# Altium PCB can-rs232.PcbDoc
Units mil, origin at the board's own origin, x right, y up, seen from the top; angles counter-clockwise.
Board outline 1401.57 x 1050 mil, 2 copper layers (Top, Bottom), stack 62.756 mil thick; 95 components, 51 nets, 257 pads, 56 vias.
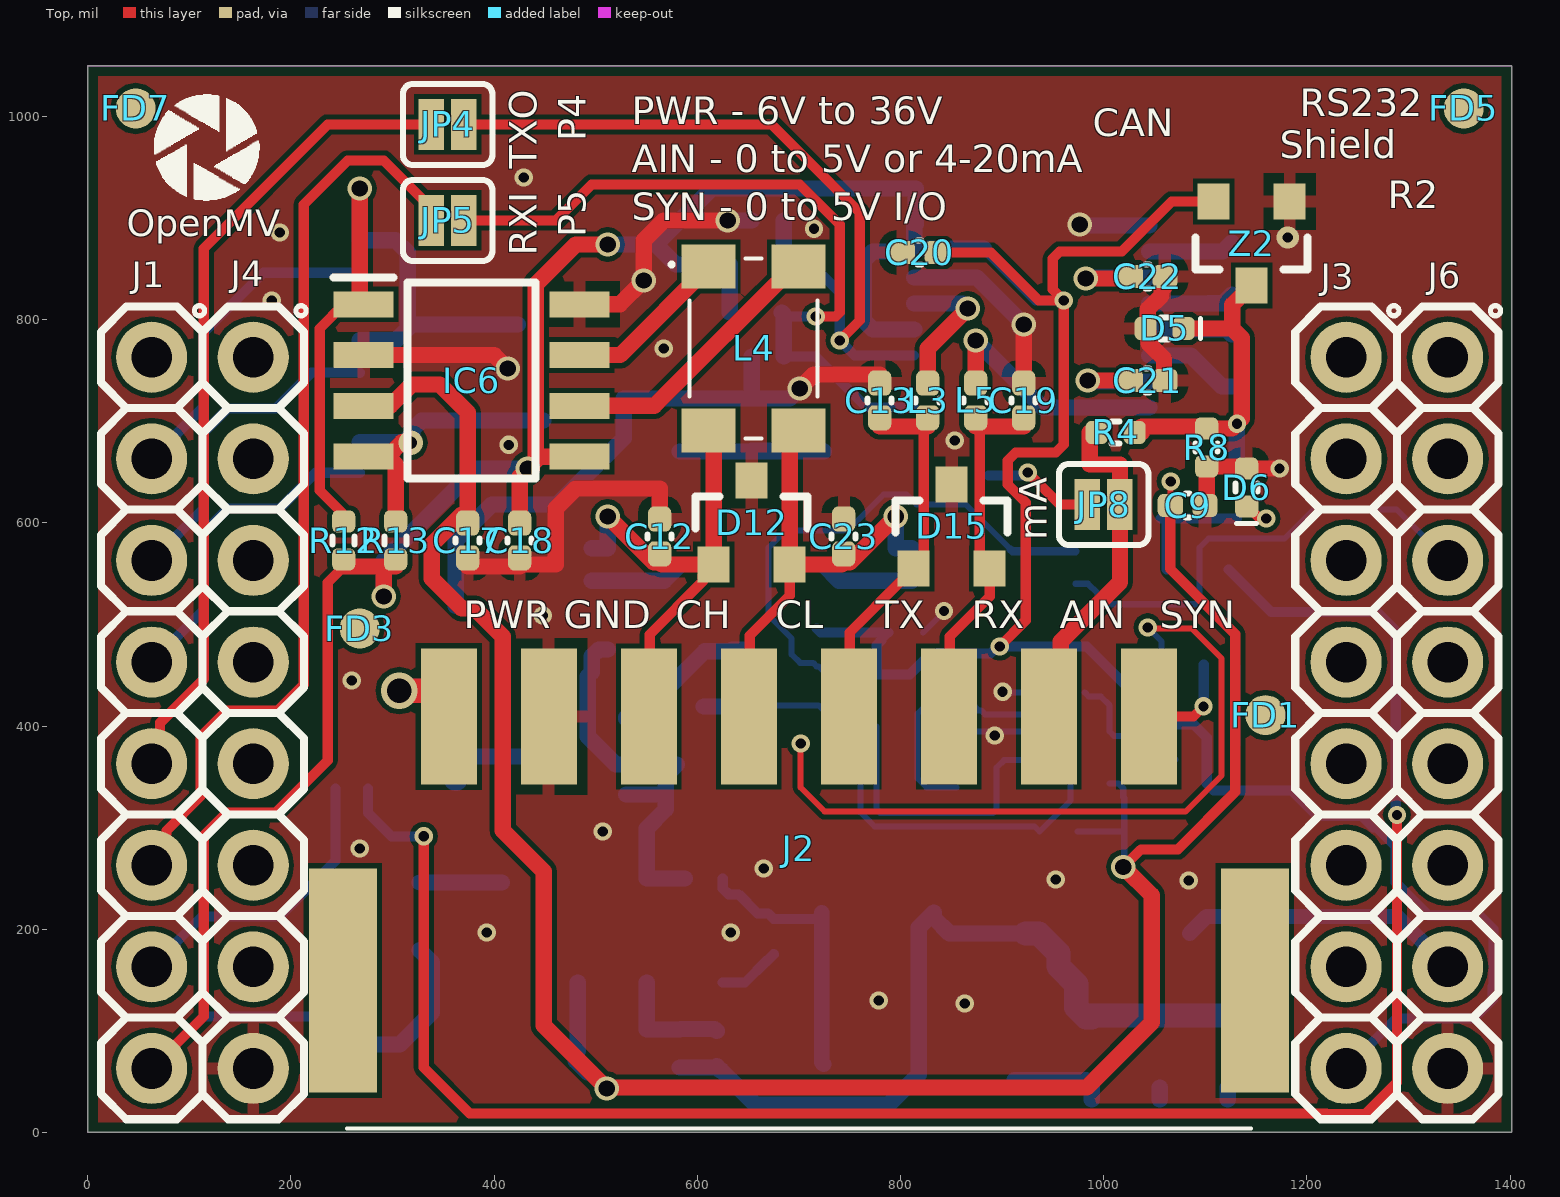
[diagram p0: Top view]
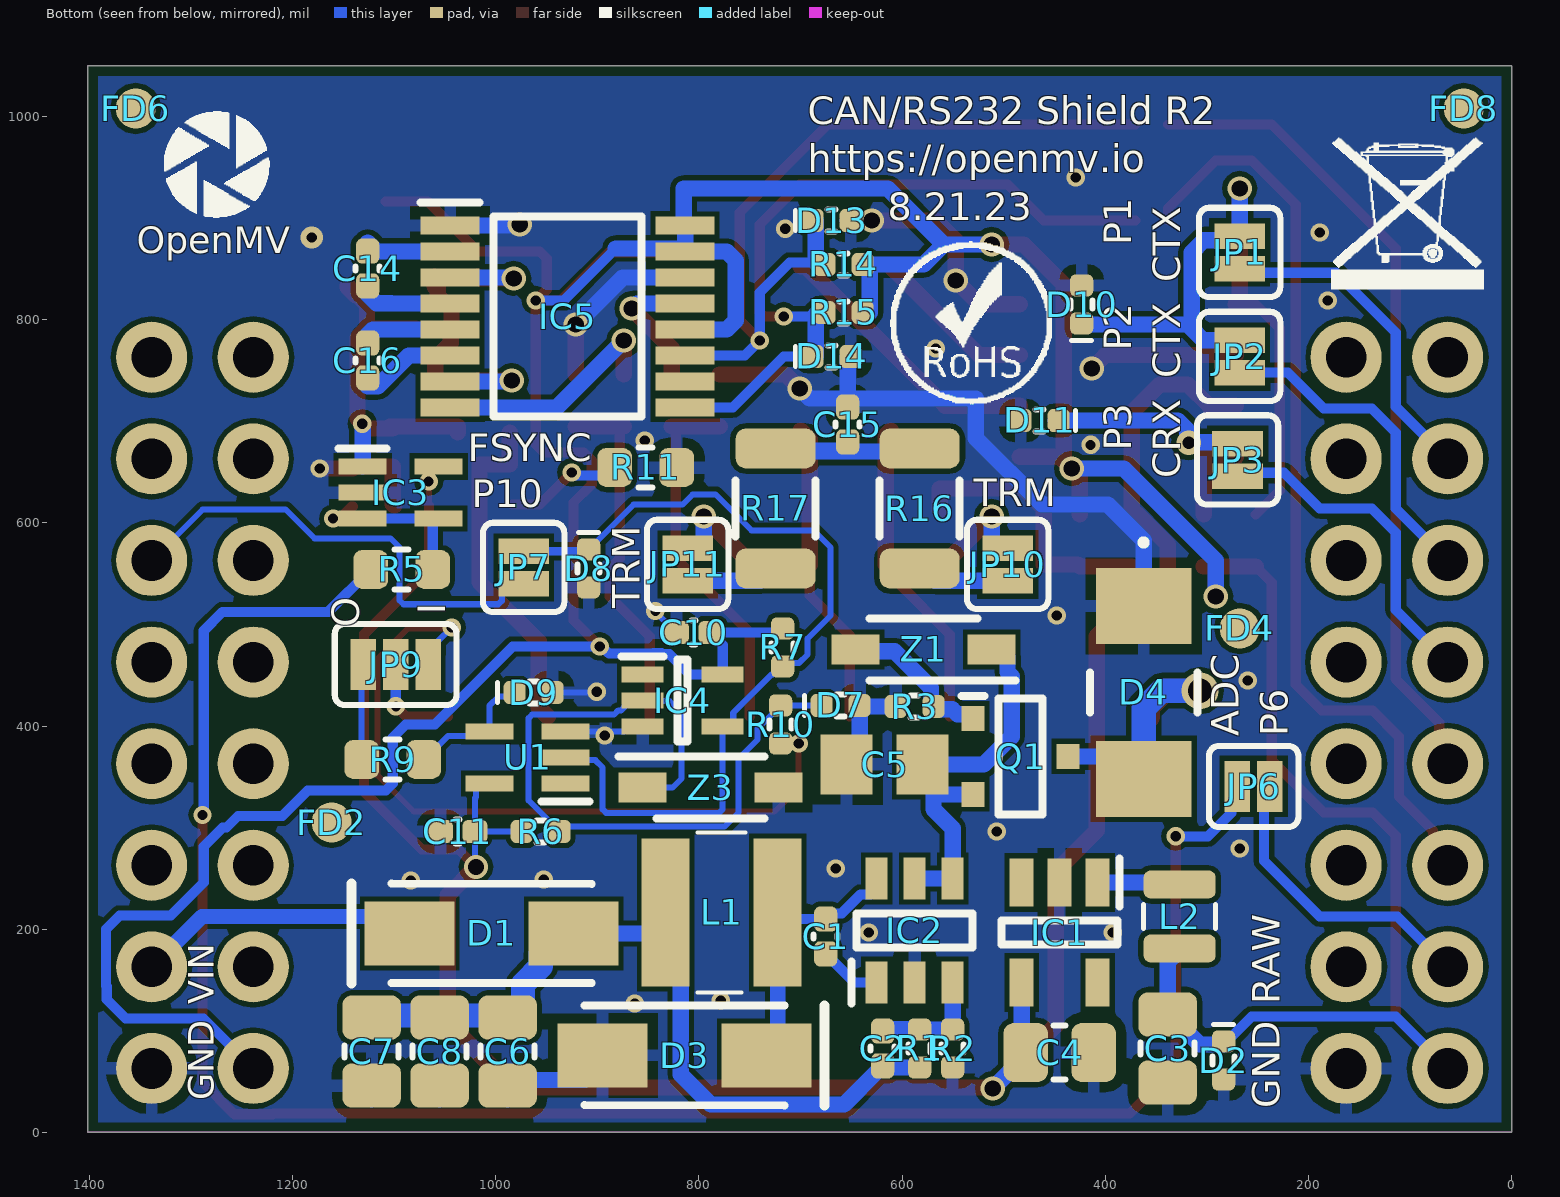
[diagram p1: Bottom view, seen from below]
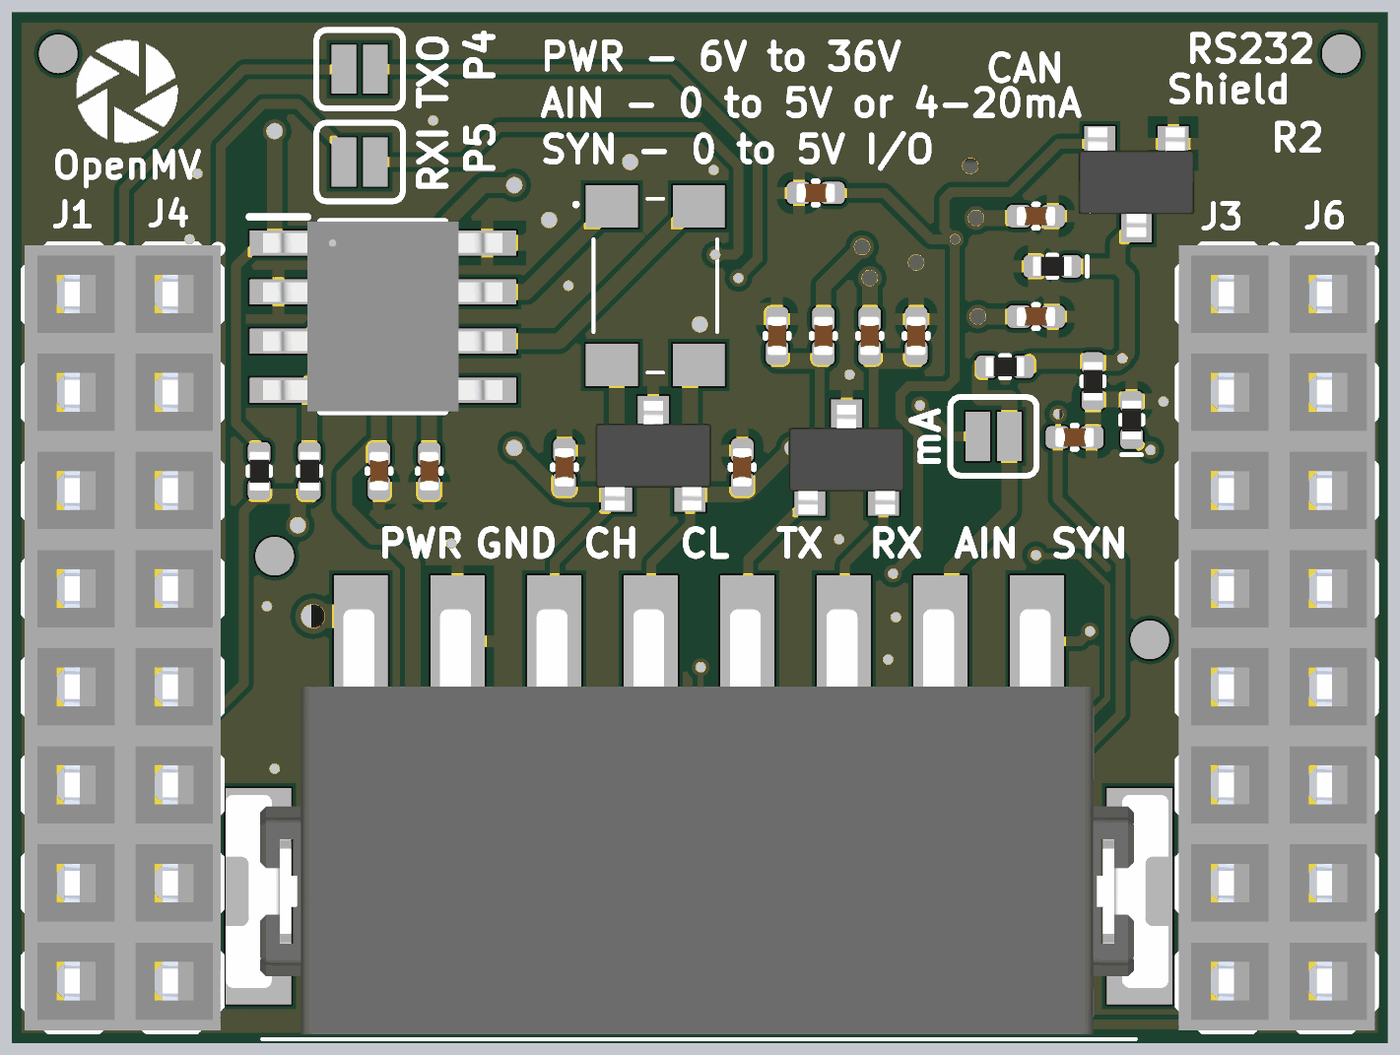
[diagram p2: 3D render of the assembled board from above, using the file's embedded part models]
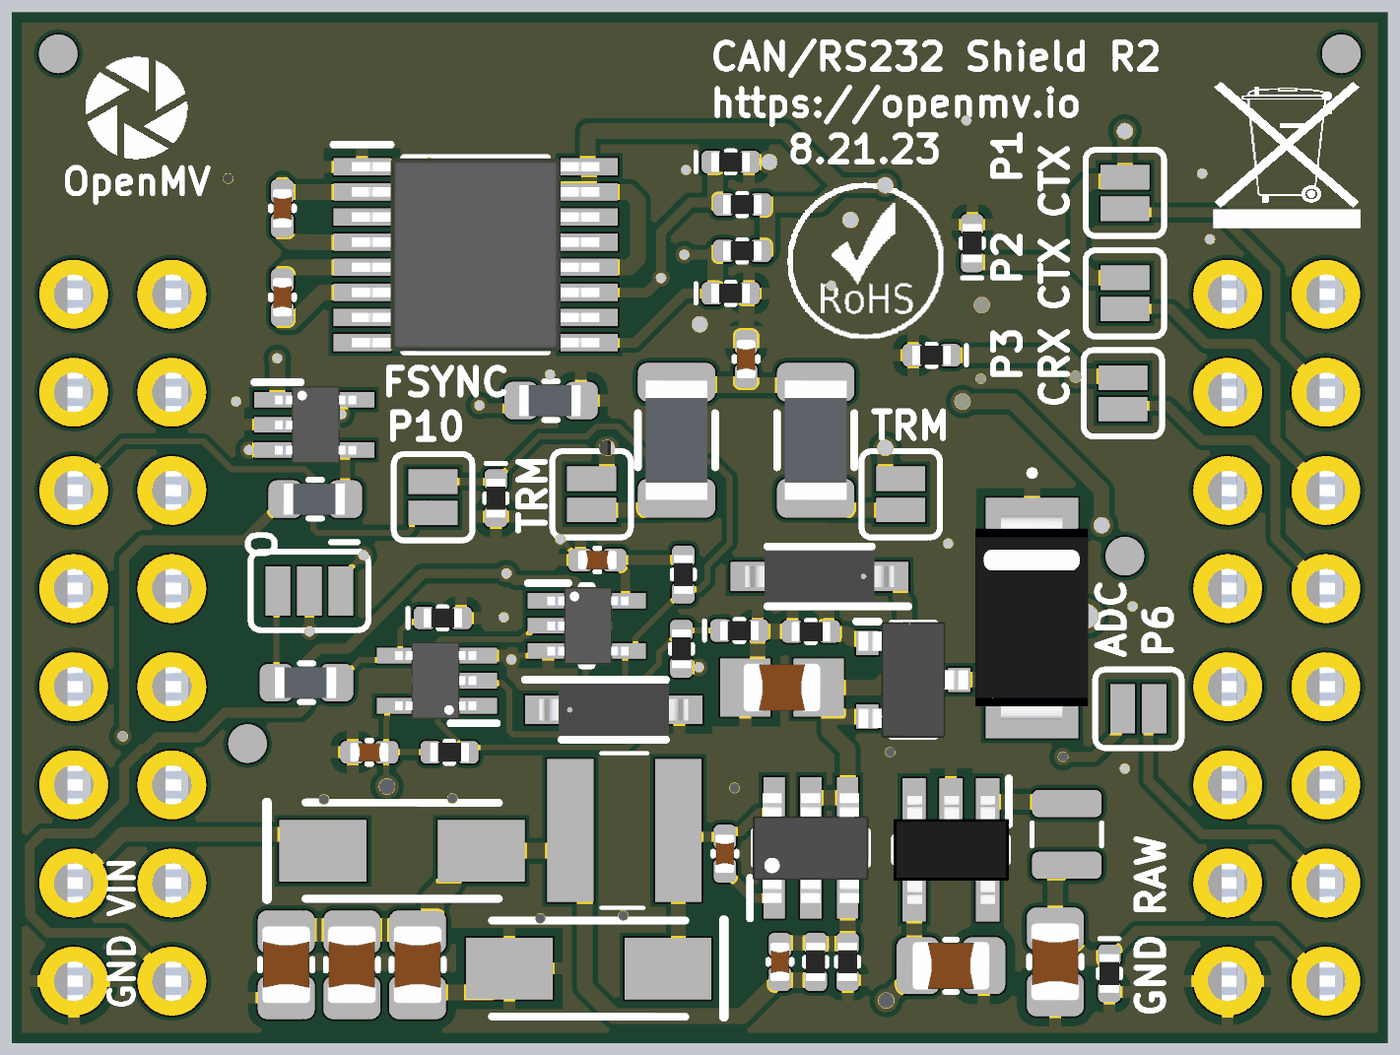
[diagram p3: 3D render of the assembled board from below, using the file's embedded part models]

## Layer stack, top to bottom
Top Solder: solder mask 0.4, Solder Resist, Dk 3.5
Top: signal copper 1.378
Dielectric 1: dielectric 60, FR-4, Dk 4.8
Bottom: signal copper 1.378
Bottom Solder: solder mask 0.4, Solder Resist, Dk 3.5

## Board outline
0,1050 0,0 1401.57,0 1401.57,1050

## Design rules (kind name [scope] priority, off if disabled: settings)
BoardOutlineClearance mdCopperDimension [All] p1: gap=10 ignorepadtopadclearanceinfootprint=FALSE except(0: Arc-SplitContinuation Track-SplitContinuation SMDPad-SplitContinuation THPad-SplitContinuation Via-SplitContinuation Fill-SplitContinuation Poly-SplitContinuation Region-SplitContinuation Text-SplitContinuation)
Clearance [All] p1: gap=5 ignorepadtopadclearanceinfootprint=FALSE
ComponentClearance ComponentClearance_1 [InComponent('J1')] p1: gap=0 collisioncheckmode=3 verticalgap=0 showdistances=FALSE
ComponentClearance ComponentClearance_4 [InComponent('J1')] p2: gap=0 collisioncheckmode=3 verticalgap=0 showdistances=FALSE
ComponentClearance ComponentClearance_3 [InComponent('J2')] p3: gap=0 collisioncheckmode=3 verticalgap=0 showdistances=FALSE
ComponentClearance ComponentClearance_2 [InComponent('J3')] p4: gap=0 collisioncheckmode=3 verticalgap=0 showdistances=FALSE
ComponentClearance [All] p5: gap=5 collisioncheckmode=3 verticalgap=10 showdistances=FALSE
HoleSize HoleSize_For_NetClass_hipwr [InNetClass('hipwr')] p1: absolutevalues=TRUE maxlimit=10 minlimit=10 maxpercent=80.000 minpercent=20.000
HoleSize HoleSize_For_NetClass_rs232 [InNetClass('rs232')] p2: absolutevalues=TRUE maxlimit=10 minlimit=10 maxpercent=80.000 minpercent=20.000
HoleSize HoleSize_For_NetClass_signal [InNetClass('signal')] p3: absolutevalues=TRUE maxlimit=10 minlimit=10 maxpercent=80.000 minpercent=20.000
HoleSize HoleSize_For_NetClass_pwr [InNetClass('pwr')] p4: absolutevalues=TRUE maxlimit=10 minlimit=10 maxpercent=80.000 minpercent=20.000
HoleSize HoleSize_For_NetClass_gnd [InNetClass('gnd')] p5: absolutevalues=TRUE maxlimit=10 minlimit=10 maxpercent=80.000 minpercent=20.000
HoleSize HoleSize_For_NetClass_can [InNetClass('can')] p6: absolutevalues=TRUE maxlimit=10 minlimit=10 maxpercent=80.000 minpercent=20.000
HoleSize [All] p7: absolutevalues=TRUE maxlimit=100000 minlimit=10 maxpercent=80.000 minpercent=20.000
HoleToHoleClearance mdDrill [All] p1: gap=10 allowstackedmicrovias=TRUE
MinimumSolderMaskSliver [All] p1 off: minsoldermaskwidth=10
PasteMaskExpansion Expansion_SMDPaste_OFF [InPadClass('SMDPaste_OFF')] p1: expansion=0
PasteMaskExpansion mlMinCreamFrame [All] p2: expansion=0
PolygonConnect PolygonConnect_For_PolygonThermal_ON_Width120000_Gap100000 [InPolygonClass('PolygonThermal_ON_Width120000_Gap100000') vs Not IsVia] p1: connectstyle=Relief reliefconductorwidth=12 reliefentries=4 polygonreliefangle="90 Angle" airgapwidth=10
PolygonConnect ThermalVias [IsVia] p2: connectstyle=Direct reliefconductorwidth=10 reliefentries=4 polygonreliefangle="90 Angle" airgapwidth=10
PolygonConnect [All] p3: connectstyle=Relief reliefconductorwidth=10 reliefentries=4 polygonreliefangle="90 Angle" airgapwidth=10
RoutingVias [All] p1: holewidth=10 width=18 viastyle="Through Hole" minholewidth=10 minwidth=18 maxholewidth=100 maxwidth=100
SolderMaskExpansion mlMinStopFrame [All] p1: expansion=2 istentingtop=FALSE
Width [All] p1: maxlimit=118.11 minlimit=5 preferedwidth=5
25 further rules are at their usual default settings.

## Classes and differential pairs
polygon class PolygonThermal_ON_Width120000_Gap100000: Polygon_1_Net_GND Polygon_2_Net_GND
polygon class Isolate_6: Polygon_1_Net_GND Polygon_2_Net_GND
pad class SMDPaste_OFF: FD1-1 FD2-1 FD3-1 FD4-1 FD5-1 FD6-1 FD7-1 FD8-1 JP1-1 JP1-2 JP2-1 JP2-2 JP3-1 JP3-2 JP4-1 JP4-2 JP5-1 JP5-2 JP6-1 JP6-2 JP7-1 JP7-2 JP8-1 JP8-2 JP9-1 JP9-2 JP9-3 JP10-1 JP10-2 JP11-1 JP11-2

## Components (designator, comment, footprint, x,y, rotation, side; value= is the part's Value field where it differs from the comment)
C1 "0.1uF" 0402-CAP 675.2,192.91 r90 bottom
C2 "100pF" 0402-CAP 619.09,82.68 r90 bottom
C3 "22uF" 0805 338.58,82.68 r90 bottom
C4 "22uF" 0805 444.88,78.74 r0 bottom
C5 "10uF" C0805 617.13,362.2 r0 bottom
C6 "22uF" 0805 988.19,79.72 r90 bottom
C7 "22uF" 0805 1122.04,79.72 r90 bottom
C8 "22uF" 0805 1055.12,79.72 r90 bottom
C9 "0.1uF" 0402-CAP 1082.68,617.13 r180 top
C10 "0.1uF" 0402-CAP 805.12,492.13 r180 bottom
C11 "0.1uF" 0402-CAP 1037.4,296.26 r180 bottom
C12 "100pF" 0402-CAP 562.99,586.61 r270 top
C13 "100pF" 0402-CAP 779.53,720.47 r270 top
C14 "0.1uF" 0402-CAP 1125.98,850.39 r270 bottom
C15 "4.7nF" 0402-CAP 653.54,696.85 r90 bottom
C16 "0.1uF" 0402-CAP 1125.98,759.84 r90 bottom
C17 "0.1uF" 0402-CAP 374.02,582.68 r270 top
C18 "0.1uF" 0402-CAP 425.2,582.68 r270 top
C19 "100pF" 0402-CAP 921.26,720.47 r90 top
C20 "0.1uF" 0402-CAP 818.9,866.14 r180 top
C21 "0.1uF" 0402-CAP 1043.31,740.16 r0 top
C22 "0.1uF" 0402-CAP 1043.31,842.52 r0 top
C23 "100pF" 0402-CAP 744.09,586.61 r90 top
D1 "FM240A" DIOM5025X231N 1003.94,195.87 r180 bottom
D2 "CPDQT5V0HE-HF" CPDQT5V0HEHF 283.46,70.87 r270 bottom
D3 "FM240A" DIOM5025X231N 813.98,75.92 r0 bottom
D4 "SMAJ40CAE3_TR13" SMAJ40CAE3TR13 362.2,433.07 r270 bottom
D5 "CPDQT5V0HE-HF" CPDQT5V0HEHF 1060.04,791.34 r180 top
D6 "CPDQT5V0HE-HF" CPDQT5V0HEHF 1140.75,634.84 r90 top
D7 "CPDQT5V0HE-HF" CPDQT5V0HEHF 660.43,420.28 r180 bottom
D8 "CPDQT5V0HE-HF" CPDQT5V0HEHF 908.46,555.12 r270 bottom
D9 "CPDQT5V0HE-HF" CPDQT5V0HEHF 962.6,433.07 r180 bottom
D10 "CPDQT5V0HE-HF" CPDQT5V0HEHF 423.23,814.96 r90 bottom
D11 "CPDQT5V0HE-HF" CPDQT5V0HEHF 464.57,700.79 r0 bottom
D12 "PESD1CAN" SOT23-3 653.54,598.43 r0 top
D13 "CPDQT5V0HE-HF" CPDQT5V0HEHF 669.29,897.64 r180 bottom
D14 "CPDQT5V0HE-HF" CPDQT5V0HEHF 669.29,763.78 r180 bottom
D15 "PESD1CAN" SOT23-3 850.39,594.49 r0 top
FD1 "FIDUCIAL1X2" FIDUCIAL-1X2 1159.29,410.81 r0 top
FD2 "FIDUCIAL1X2" FIDUCIAL-1X2 1161.42,305.12 r180 bottom
FD3 "FIDUCIAL1X2" FIDUCIAL-1X2 267.72,496.06 r0 top
FD4 "FIDUCIAL1X2" FIDUCIAL-1X2 267.72,496.06 r180 bottom
FD5 "FIDUCIAL1X2" FIDUCIAL-1X2 1354.33,1007.87 r0 top
FD6 "FIDUCIAL1X2" FIDUCIAL-1X2 1354.33,1007.87 r180 bottom
FD7 "FIDUCIAL1X2" FIDUCIAL-1X2 47.24,1007.87 r0 top
FD8 "FIDUCIAL1X2" FIDUCIAL-1X2 47.24,1007.87 r180 bottom
IC1 "TPS613222ADBVR" SOT95P280X145-5N 444.88,196.85 r270 bottom
IC2 "AP64060WU-7" SOT95P280X100-6N 587.6,198.82 r90 bottom
IC3 "LM321LVIDCKR" SOT65P210X110-5N 1093.5,629.92 r180 bottom
IC4 "74LVC1G07GW,125" SOT65P212X110-5N 815.94,425.2 r180 bottom
IC5 "SN65C3221EPWR" SOP65P640X120-16N 929.13,803.15 r180 bottom
IC6 "MCP2542FD-E_SN" SOIC127P600X175-8N 377.95,740.16 r0 top
J1 "SSQ-108-03-T-S" HDR_1X8 62.99,762.99 r0 top
J2 "1771088" 1771088 700,409.45 r0 top
J3 "SSQ-108-03-T-S" HDR_1X8 1238.58,762.99 r0 top
J4 "SSQ-108-03-T-S" HDR_1X8 162.99,762.99 r0 top
J6 "SSQ-108-03-T-S" HDR_1X8 1338.58,762.99 r0 top
JP1 "JUMPER-SMT_2_NC_PASTE_SILK" SMT-JUMPER_2_NC_PASTE_SILK 267.72,866.14 r90 bottom
JP2 "JUMPER-SMT_2_NO_SILK" SMT-JUMPER_2_NO_SILK 267.72,763.78 r90 bottom
JP3 "JUMPER-SMT_2_NC_PASTE_SILK" SMT-JUMPER_2_NC_PASTE_SILK 269.79,661.94 r270 bottom
JP4 "JUMPER-SMT_2_NC_PASTE_SILK" SMT-JUMPER_2_NC_PASTE_SILK 354.33,992.13 r0 top
JP5 "JUMPER-SMT_2_NC_PASTE_SILK" SMT-JUMPER_2_NC_PASTE_SILK 354.33,897.64 r0 top
JP6 "JUMPER-SMT_2_NC_PASTE_SILK" SMT-JUMPER_2_NC_PASTE_SILK 253.94,340.55 r0 bottom
JP7 "JUMPER-SMT_2_NC_PASTE_SILK" SMT-JUMPER_2_NC_PASTE_SILK 972.44,556.1 r90 bottom
JP8 "JUMPER-SMT_2_NO_SILK" SMT-JUMPER_2_NO_SILK 1000,618.11 r0 top
JP9 "JUMPER-SMT_3_1-NC_PASTE_SILK" SMT-JUMPER_3_1-NC_PASTE_SILK 1098.43,460.63 r180 bottom
JP10 "JUMPER-SMT_2_NC_PASTE_SILK" SMT-JUMPER_2_NC_PASTE_SILK 496.06,559.06 r90 bottom
JP11 "JUMPER-SMT_2_NC_PASTE_SILK" SMT-JUMPER_2_NC_PASTE_SILK 811.02,559.06 r270 bottom
L1 "NRS4018T100MDGJ" NRS4018T100MDGJ 777.56,216.54 r0 bottom
L2 "MAKK2016T2R2M" INDC2016X100N 326.77,212.6 r90 bottom
L3 "100" C0402 826.77,720.47 r270 top
L4 "SRF4532-110Y" SRF4532101Y 645.67,771.65 r270 top
L5 "100" C0402 874.02,720.47 r270 top
Q1 "SSM3J356R,LF" SOTFL95P240X88-3N 483.27,370.08 r180 bottom
R1 "133K" 0402-RES 582.68,82.68 r90 bottom
R2 "22.1K" 0402-RES 550.2,82.68 r270 bottom
R3 "100K" 0402-RES 587.6,419.29 r0 bottom
R4 "51K" 0402-RES 1011.81,688.98 r180 top
R5 "470" R0603 1093.5,554.13 r0 bottom
R6 "100K" 0402-RES 955.71,296.26 r180 bottom
R7 "100K" 0402-RES 717.52,477.36 r270 bottom
R8 "100K" 0402-RES 1101.38,674.21 r270 top
R9 "470" R0603 1102.36,367.13 r0 bottom
R10 "10K" 0402-RES 719.49,401.57 r270 bottom
R11 "240" R0603 853.35,654.53 r0 bottom
R12 "10K" 0402-RES 251.97,582.68 r90 top
R13 "10K" 0402-RES 303.15,582.68 r90 top
R14 "10K" 0402-RES 657.48,854.33 r0 bottom
R15 "10K" 0402-RES 657.48,807.09 r0 bottom
R16 "60" R1206 582.68,614.17 r270 bottom
R17 "60" R1206 724.41,614.17 r90 bottom
U1 "74LVC1G17SE-7" SOT65P210X110-5N 968.5,369.09 r0 bottom
Z1 "MMSZ5231B-7-F" SOD3716X145N 578.74,475.39 r0 bottom
Z2 "BAT54S_R1_00001" SOT23-3 1145.67,876.97 r180 top
Z3 "MMSZ5231B-7-F" SOD3716X145N 788.39,339.57 r180 bottom

## Footprints (in the part's own frame and the unit in brackets; to place one, negate y for a bottom-side part, rotate by r counter-clockwise, add the part's x,y. Pads: shape width x height; smd on the part's side, far side on the other; paste and mask are expansions set on the pad)
0402-CAP [mm] "Chip Capacitor, 2-Leads, Body  0402 (in) 1005 (mm), IPC Medium Density"
  rrect52% 0.63x0.58 smd mask+0.05: 1(-0.435,0) 2(0.435,0)
  silkscreen extent -0.05,-0.3 0.05,0.3, body extent -0.5,-0.25 0.5,0.25, height 0.5
0402-RES [mm] "Chip Resistor, 2-Leads, Body  0402 (in) 1005 (mm), IPC Medium Density"
  rrect51% 0.55x0.58 smd mask+0.05: 1(-0.475,0) 2(0.475,0)
  silkscreen extent -0.1,-0.28 0.1,0.28, body extent -0.5,-0.25 0.5,0.25, height 0.34
0805 [mm] "Chip Capacitor, Body 0805 imperial, 2.0x1.2mm, IPC Medium Density"
  rrect45% 1.11x1.47 smd: 1(-0.85,0) 2(0.85,0)
  silkscreen extent -0.15,-0.67 0.15,0.67, body extent -1,-0.62 1,0.63, height 1.25
1771088 [mm] "1771088"
  rect 1.4x3.4 smd: 1(-8.75,0) 2(-6.25,0) 3(-3.75,0) 4(-1.25,0) 5(1.25,0) 6(3.75,0) 7(6.25,0) 8(8.75,0)
  rect 1.7x5.6 smd: 9(-11.4,-6.6) 10(11.4,-6.6)
  silkscreen extent -11.3,-10.3 11.3,-10.3, body extent -12.25,-10.18 12.15,0.82, height 5.1
C0402 [mm] "Chip Capacitor, 2-Leads, Body  0402 (in) 1005 (mm), IPC Medium Density"
  rrect52% 0.63x0.58 smd mask+0.05: 1(-0.435,0) 2(0.435,0)
  silkscreen extent -0.05,-0.3 0.05,0.3, body extent -0.5,-0.25 0.5,0.25, height 0.5
C0805 [mil] "C0805"
  rect 51.18x59.06 smd: 1(-37.4,0) 2(37.4,0)
  body extent -39,-25 39,25, height 49
CPDQT5V0HEHF [mm] "CPDQT5V0HEHF"
  rrect51% 0.55x0.58 smd mask+0.05: 1(-0.475,0) 2(0.475,0)
  silkscreen extent -0.9,-0.27 0.1,0.28, body extent -0.5,-0.25 0.5,0.25, height 0.34
DIOM5025X231N [mil] "DIOM5025X231N"
  rect 88.58x62.99 smd: 1(-80.71,0) 2(80.71,0)
  silkscreen extent -138,-49 98,49, body extent -89,-49 89,49, height 79
FIDUCIAL-1X2 [mm] "FIDUCIAL-1X2"
  rrect100% 1x1 smd paste+0: 1(0,0)
HDR_1X8 [mil]
  round 70 hole 40: 1(0,0) 2(0,-100) 3(0,-200) 4(0,-300) 5(0,-400) 6(0,-500) 7(0,-600) 8(0,-700)
  silkscreen extent -50,-750 52,51, body extent -50,-750 50,50, height 335
INDC2016X100N [mm] "INDC2016X100N"
  rrect50% 0.7x1.8 smd: 1(-0.8,0) 2(0.8,0)
  silkscreen extent -0.3,-0.9 0.3,0.9, body extent -1,-0.8 1,0.8, height 1
NRS4018T100MDGJ [mm] "NRS4018T100MDGJ"
  rect 1.2x3.7 smd: 1(-1.4,0) 2(1.4,0)
  silkscreen extent -0.6,-2 0.6,2, body extent -2,-2 2,2, height 1.8
R0603 [mm] "R0603"
  rrect51% 0.87x0.97 smd mask+0.05: 1(-0.8,0) 2(0.75,0)
  silkscreen extent -0.2,-0.5 0.15,0.5, body extent -0.8,-0.4 0.8,0.4, height 0.45
R1206 [mm] "IPC 7351 1206"
  rrect50% 1x2 smd: 1(-1.5,0) 2(1.5,0)
  silkscreen extent -0.7,-1 0.7,1, body extent -1.55,-0.8 1.55,0.8, height 0.55